# KiCad board poly_kb_molecule_4x4.kicad_pcb (continued)
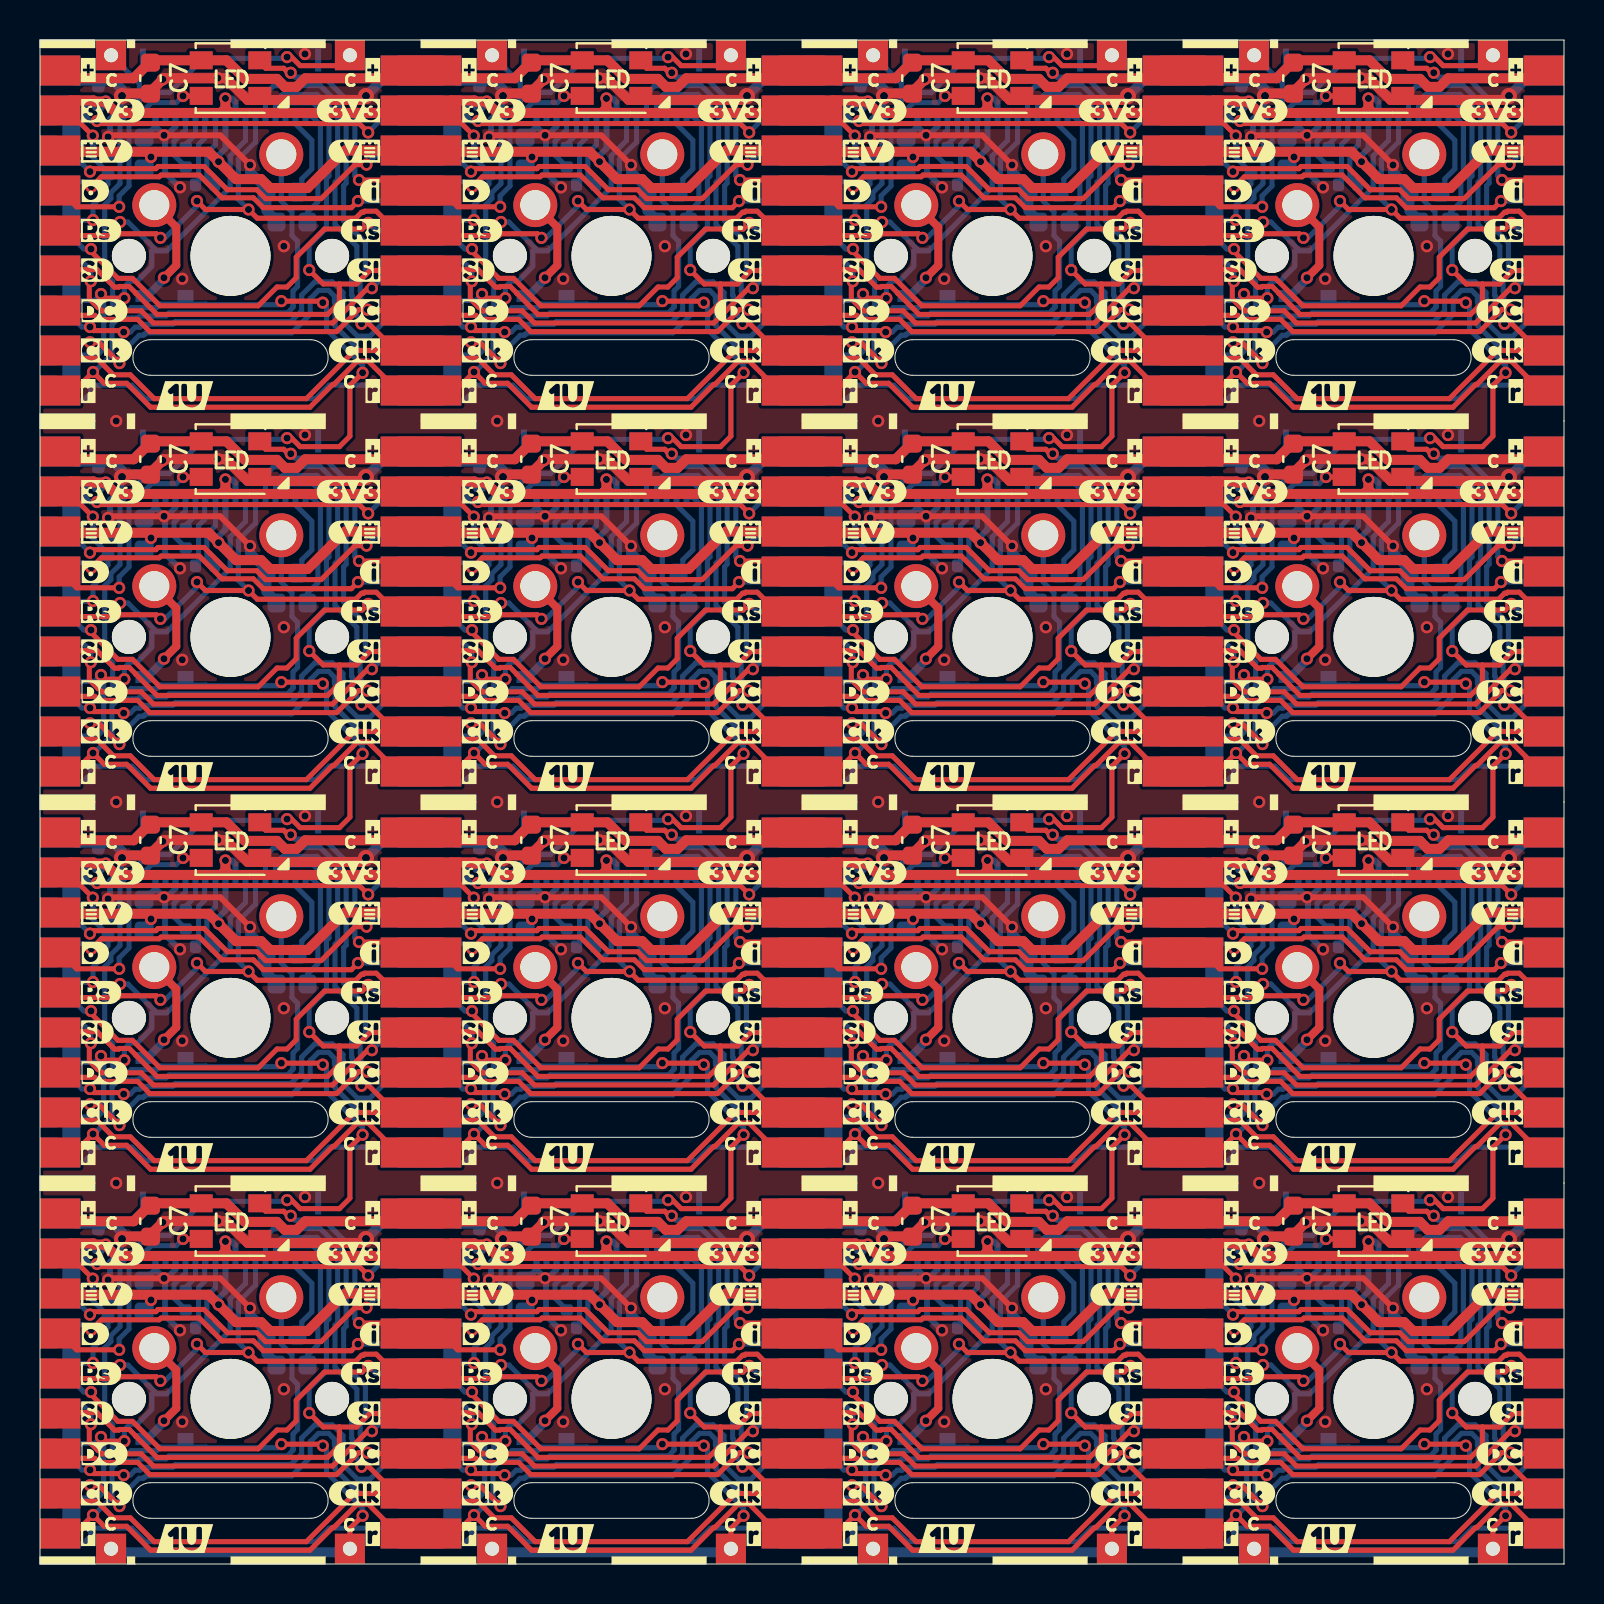
[diagram p0: board, top side]
## Placement (name value [footprint] x y rotation side) (continued)
kibuzzard-61EFD7F9#12  G***  [kibuzzard-61EFD7F9]  35.23 45.64 0 top
kibuzzard-61EFD7F9#13  G***  [kibuzzard-61EFD7F9]  73.33 64.69 0 top
kibuzzard-61EFD7F9#14  G***  [kibuzzard-61EFD7F9]  16.18 26.59 0 top
kibuzzard-61EFD7F9#15  G***  [kibuzzard-61EFD7F9]  73.33 45.64 0 top
kibuzzard-61EFD7F9#16  G***  [kibuzzard-61EFD7F9]  54.28 26.59 0 top
kibuzzard-61EFD863  G***  [kibuzzard-61EFD863]  72.57 72.67 0 top
kibuzzard-61EFD863#2  G***  [kibuzzard-61EFD863]  34.47 34.57 0 top
kibuzzard-61EFD863#3  G***  [kibuzzard-61EFD863]  53.52 72.67 0 top
kibuzzard-61EFD863#4  G***  [kibuzzard-61EFD863]  34.47 72.67 0 top
kibuzzard-61EFD863#5  G***  [kibuzzard-61EFD863]  15.42 15.52 0 top
kibuzzard-61EFD863#6  G***  [kibuzzard-61EFD863]  15.42 34.57 0 top
kibuzzard-61EFD863#7  G***  [kibuzzard-61EFD863]  34.47 53.62 0 top
kibuzzard-61EFD863#8  G***  [kibuzzard-61EFD863]  34.47 15.52 0 top
kibuzzard-61EFD863#9  G***  [kibuzzard-61EFD863]  15.42 72.67 0 top
kibuzzard-61EFD863#10  G***  [kibuzzard-61EFD863]  53.52 53.62 0 top
kibuzzard-61EFD863#11  G***  [kibuzzard-61EFD863]  15.42 53.62 0 top
kibuzzard-61EFD863#12  G***  [kibuzzard-61EFD863]  72.57 15.52 0 top
kibuzzard-61EFD863#13  G***  [kibuzzard-61EFD863]  53.52 15.52 0 top
kibuzzard-61EFD863#14  G***  [kibuzzard-61EFD863]  72.57 53.62 0 top
kibuzzard-61EFD863#15  G***  [kibuzzard-61EFD863]  53.52 34.57 0 top
kibuzzard-61EFD863#16  G***  [kibuzzard-61EFD863]  72.57 34.57 0 top
kibuzzard-61EFD879  G***  [kibuzzard-61EFD879]  3.64 15.51 0 top
kibuzzard-61EFD879#2  G***  [kibuzzard-61EFD879]  22.69 34.56 0 top
kibuzzard-61EFD879#3  G***  [kibuzzard-61EFD879]  3.64 34.56 0 top
kibuzzard-61EFD879#4  G***  [kibuzzard-61EFD879]  60.79 53.61 0 top
kibuzzard-61EFD879#5  G***  [kibuzzard-61EFD879]  3.64 53.61 0 top
kibuzzard-61EFD879#6  G***  [kibuzzard-61EFD879]  41.74 53.61 0 top
kibuzzard-61EFD879#7  G***  [kibuzzard-61EFD879]  22.69 53.61 0 top
kibuzzard-61EFD879#8  G***  [kibuzzard-61EFD879]  22.69 15.51 0 top
kibuzzard-61EFD879#9  G***  [kibuzzard-61EFD879]  60.79 72.66 0 top
kibuzzard-61EFD879#10  G***  [kibuzzard-61EFD879]  22.69 72.66 0 top
kibuzzard-61EFD879#11  G***  [kibuzzard-61EFD879]  60.79 15.51 0 top
kibuzzard-61EFD879#12  G***  [kibuzzard-61EFD879]  41.74 15.51 0 top
kibuzzard-61EFD879#13  G***  [kibuzzard-61EFD879]  60.79 34.56 0 top
kibuzzard-61EFD879#14  G***  [kibuzzard-61EFD879]  41.74 72.66 0 top
kibuzzard-61EFD879#15  G***  [kibuzzard-61EFD879]  3.64 72.66 0 top
kibuzzard-61EFD879#16  G***  [kibuzzard-61EFD879]  41.74 34.56 0 top
kibuzzard-61EFD908  G***  [kibuzzard-61EFD908]  2.41 58.65 0 top
kibuzzard-61EFD908#2  G***  [kibuzzard-61EFD908]  35.69 1.5 0 top
kibuzzard-61EFD908#3  G***  [kibuzzard-61EFD908]  73.79 39.6 0 top
kibuzzard-61EFD908#4  G***  [kibuzzard-61EFD908]  35.69 58.65 0 top
kibuzzard-61EFD908#5  G***  [kibuzzard-61EFD908]  35.69 20.55 0 top
kibuzzard-61EFD908#6  G***  [kibuzzard-61EFD908]  54.74 1.5 0 top
kibuzzard-61EFD908#7  G***  [kibuzzard-61EFD908]  40.51 58.65 0 top
kibuzzard-61EFD908#8  G***  [kibuzzard-61EFD908]  54.74 20.55 0 top
kibuzzard-61EFD908#9  G***  [kibuzzard-61EFD908]  73.79 58.65 0 top
kibuzzard-61EFD908#10  G***  [kibuzzard-61EFD908]  40.51 20.55 0 top
kibuzzard-61EFD908#11  G***  [kibuzzard-61EFD908]  59.56 39.6 0 top
kibuzzard-61EFD908#12  G***  [kibuzzard-61EFD908]  40.51 1.5 0 top
kibuzzard-61EFD908#13  G***  [kibuzzard-61EFD908]  73.79 1.5 0 top
kibuzzard-61EFD908#14  G***  [kibuzzard-61EFD908]  16.64 39.6 0 top
kibuzzard-61EFD908#15  G***  [kibuzzard-61EFD908]  40.51 39.6 0 top
kibuzzard-61EFD908#16  G***  [kibuzzard-61EFD908]  2.41 1.5 0 top
kibuzzard-61EFD908#17  G***  [kibuzzard-61EFD908]  2.41 20.55 0 top
kibuzzard-61EFD908#18  G***  [kibuzzard-61EFD908]  54.74 39.6 0 top
kibuzzard-61EFD908#19  G***  [kibuzzard-61EFD908]  21.46 20.55 0 top
kibuzzard-61EFD908#20  G***  [kibuzzard-61EFD908]  21.46 39.6 0 top
kibuzzard-61EFD908#21  G***  [kibuzzard-61EFD908]  16.64 1.5 0 top
kibuzzard-61EFD908#22  G***  [kibuzzard-61EFD908]  16.64 58.65 0 top
kibuzzard-61EFD908#23  G***  [kibuzzard-61EFD908]  21.46 1.5 0 top
kibuzzard-61EFD908#24  G***  [kibuzzard-61EFD908]  2.41 39.6 0 top
kibuzzard-61EFD908#25  G***  [kibuzzard-61EFD908]  59.56 20.55 0 top
kibuzzard-61EFD908#26  G***  [kibuzzard-61EFD908]  16.64 20.55 0 top
kibuzzard-61EFD908#27  G***  [kibuzzard-61EFD908]  21.46 58.65 0 top
kibuzzard-61EFD908#28  G***  [kibuzzard-61EFD908]  54.74 58.65 0 top
kibuzzard-61EFD908#29  G***  [kibuzzard-61EFD908]  35.69 39.6 0 top
kibuzzard-61EFD908#30  G***  [kibuzzard-61EFD908]  59.56 58.65 0 top
kibuzzard-61EFD908#31  G***  [kibuzzard-61EFD908]  73.79 20.55 0 top
kibuzzard-61EFD908#32  G***  [kibuzzard-61EFD908]  59.56 1.5 0 top
kibuzzard-61EFD947  G***  [kibuzzard-61EFD947]  35.69 17.55 0 top
kibuzzard-61EFD947#2  G***  [kibuzzard-61EFD947]  16.64 17.55 0 top
kibuzzard-61EFD947#3  G***  [kibuzzard-61EFD947]  40.51 17.55 0 top
kibuzzard-61EFD947#4  G***  [kibuzzard-61EFD947]  59.56 74.7 0 top
kibuzzard-61EFD947#5  G***  [kibuzzard-61EFD947]  35.69 36.6 0 top
kibuzzard-61EFD947#6  G***  [kibuzzard-61EFD947]  40.51 74.7 0 top
kibuzzard-61EFD947#7  G***  [kibuzzard-61EFD947]  59.56 36.6 0 top
kibuzzard-61EFD947#8  G***  [kibuzzard-61EFD947]  40.51 55.65 0 top
kibuzzard-61EFD947#9  G***  [kibuzzard-61EFD947]  2.41 17.55 0 top
kibuzzard-61EFD947#10  G***  [kibuzzard-61EFD947]  16.64 36.6 0 top
kibuzzard-61EFD947#11  G***  [kibuzzard-61EFD947]  21.46 17.55 0 top
kibuzzard-61EFD947#12  G***  [kibuzzard-61EFD947]  16.64 55.65 0 top
kibuzzard-61EFD947#13  G***  [kibuzzard-61EFD947]  35.69 74.7 0 top
kibuzzard-61EFD947#14  G***  [kibuzzard-61EFD947]  16.64 74.7 0 top
kibuzzard-61EFD947#15  G***  [kibuzzard-61EFD947]  73.79 17.55 0 top
kibuzzard-61EFD947#16  G***  [kibuzzard-61EFD947]  40.51 36.6 0 top
kibuzzard-61EFD947#17  G***  [kibuzzard-61EFD947]  21.46 55.65 0 top
kibuzzard-61EFD947#18  G***  [kibuzzard-61EFD947]  35.69 55.65 0 top
kibuzzard-61EFD947#19  G***  [kibuzzard-61EFD947]  59.56 55.65 0 top
kibuzzard-61EFD947#20  G***  [kibuzzard-61EFD947]  21.46 36.6 0 top
kibuzzard-61EFD947#21  G***  [kibuzzard-61EFD947]  73.79 55.65 0 top
kibuzzard-61EFD947#22  G***  [kibuzzard-61EFD947]  2.41 36.6 0 top
kibuzzard-61EFD947#23  G***  [kibuzzard-61EFD947]  54.74 55.65 0 top
kibuzzard-61EFD947#24  G***  [kibuzzard-61EFD947]  59.56 17.55 0 top
kibuzzard-61EFD947#25  G***  [kibuzzard-61EFD947]  54.74 36.6 0 top
kibuzzard-61EFD947#26  G***  [kibuzzard-61EFD947]  54.74 17.55 0 top
kibuzzard-61EFD947#27  G***  [kibuzzard-61EFD947]  2.41 74.7 0 top
kibuzzard-61EFD947#28  G***  [kibuzzard-61EFD947]  73.79 36.6 0 top
kibuzzard-61EFD947#29  G***  [kibuzzard-61EFD947]  54.74 74.7 0 top
kibuzzard-61EFD947#30  G***  [kibuzzard-61EFD947]  2.41 55.65 0 top
kibuzzard-61EFD947#31  G***  [kibuzzard-61EFD947]  73.79 74.7 0 top
kibuzzard-61EFD947#32  G***  [kibuzzard-61EFD947]  21.46 74.7 0 top
kibuzzard-61EFDAA0  G***  [kibuzzard-61EFDAA0]  21.82 11.51 0 top
kibuzzard-61EFDAA0#2  G***  [kibuzzard-61EFDAA0]  40.87 49.61 0 top
kibuzzard-61EFDAA0#3  G***  [kibuzzard-61EFDAA0]  40.87 11.51 0 top
kibuzzard-61EFDAA0#4  G***  [kibuzzard-61EFDAA0]  59.92 30.56 0 top
kibuzzard-61EFDAA0#5  G***  [kibuzzard-61EFDAA0]  40.87 68.66 0 top
kibuzzard-61EFDAA0#6  G***  [kibuzzard-61EFDAA0]  40.87 30.56 0 top
kibuzzard-61EFDAA0#7  G***  [kibuzzard-61EFDAA0]  2.77 68.66 0 top
kibuzzard-61EFDAA0#8  G***  [kibuzzard-61EFDAA0]  21.82 49.61 0 top
kibuzzard-61EFDAA0#9  G***  [kibuzzard-61EFDAA0]  59.92 11.51 0 top
kibuzzard-61EFDAA0#10  G***  [kibuzzard-61EFDAA0]  59.92 49.61 0 top
kibuzzard-61EFDAA0#11  G***  [kibuzzard-61EFDAA0]  2.77 11.51 0 top
kibuzzard-61EFDAA0#12  G***  [kibuzzard-61EFDAA0]  59.92 68.66 0 top
kibuzzard-61EFDAA0#13  G***  [kibuzzard-61EFDAA0]  21.82 30.56 0 top
kibuzzard-61EFDAA0#14  G***  [kibuzzard-61EFDAA0]  2.77 49.61 0 top
kibuzzard-61EFDAA0#15  G***  [kibuzzard-61EFDAA0]  2.77 30.56 0 top
kibuzzard-61EFDAA0#16  G***  [kibuzzard-61EFDAA0]  21.82 68.66 0 top
kibuzzard-61EFDAC6  G***  [kibuzzard-61EFDAC6]  35.64 30.56 0 top
kibuzzard-61EFDAC6#2  G***  [kibuzzard-61EFDAC6]  16.59 68.66 0 top
kibuzzard-61EFDAC6#3  G***  [kibuzzard-61EFDAC6]  73.74 49.61 0 top
kibuzzard-61EFDAC6#4  G***  [kibuzzard-61EFDAC6]  16.59 30.56 0 top
kibuzzard-61EFDAC6#5  G***  [kibuzzard-61EFDAC6]  35.64 68.66 0 top
kibuzzard-61EFDAC6#6  G***  [kibuzzard-61EFDAC6]  54.69 30.56 0 top
kibuzzard-61EFDAC6#7  G***  [kibuzzard-61EFDAC6]  16.59 49.61 0 top
kibuzzard-61EFDAC6#8  G***  [kibuzzard-61EFDAC6]  16.59 11.51 0 top
kibuzzard-61EFDAC6#9  G***  [kibuzzard-61EFDAC6]  54.69 49.61 0 top
kibuzzard-61EFDAC6#10  G***  [kibuzzard-61EFDAC6]  73.74 68.66 0 top
kibuzzard-61EFDAC6#11  G***  [kibuzzard-61EFDAC6]  35.64 11.51 0 top
kibuzzard-61EFDAC6#12  G***  [kibuzzard-61EFDAC6]  73.74 30.56 0 top
kibuzzard-61EFDAC6#13  G***  [kibuzzard-61EFDAC6]  35.64 49.61 0 top
kibuzzard-61EFDAC6#14  G***  [kibuzzard-61EFDAC6]  73.74 11.51 0 top
kibuzzard-61EFDAC6#15  G***  [kibuzzard-61EFDAC6]  54.69 11.51 0 top
kibuzzard-61EFDAC6#16  G***  [kibuzzard-61EFDAC6]  54.69 68.66 0 top
kibuzzard-61EFDAEE  G***  [kibuzzard-61EFDAEE]  22.1 47.63 0 top
kibuzzard-61EFDAEE#2  G***  [kibuzzard-61EFDAEE]  41.15 66.68 0 top
kibuzzard-61EFDAEE#3  G***  [kibuzzard-61EFDAEE]  41.15 47.63 0 top
kibuzzard-61EFDAEE#4  G***  [kibuzzard-61EFDAEE]  22.1 9.53 0 top
kibuzzard-61EFDAEE#5  G***  [kibuzzard-61EFDAEE]  22.1 66.68 0 top
kibuzzard-61EFDAEE#6  G***  [kibuzzard-61EFDAEE]  3.05 47.63 0 top
kibuzzard-61EFDAEE#7  G***  [kibuzzard-61EFDAEE]  60.2 66.68 0 top
kibuzzard-61EFDAEE#8  G***  [kibuzzard-61EFDAEE]  3.05 9.53 0 top
kibuzzard-61EFDAEE#9  G***  [kibuzzard-61EFDAEE]  60.2 47.63 0 top
kibuzzard-61EFDAEE#10  G***  [kibuzzard-61EFDAEE]  3.05 28.58 0 top
kibuzzard-61EFDAEE#11  G***  [kibuzzard-61EFDAEE]  60.2 9.53 0 top
kibuzzard-61EFDAEE#12  G***  [kibuzzard-61EFDAEE]  3.05 66.68 0 top
kibuzzard-61EFDAEE#13  G***  [kibuzzard-61EFDAEE]  41.15 28.58 0 top
kibuzzard-61EFDAEE#14  G***  [kibuzzard-61EFDAEE]  41.15 9.53 0 top
kibuzzard-61EFDAEE#15  G***  [kibuzzard-61EFDAEE]  22.1 28.58 0 top
kibuzzard-61EFDAEE#16  G***  [kibuzzard-61EFDAEE]  60.2 28.58 0 top
kibuzzard-61EFDD1E  G***  [kibuzzard-61EFDD1E]  64.39 39.37 0 top
kibuzzard-61EFDD1E#2  G***  [kibuzzard-61EFDD1E]  7.24 20.32 0 top
kibuzzard-61EFDD1E#3  G***  [kibuzzard-61EFDD1E]  7.24 58.42 0 top
kibuzzard-61EFDD1E#4  G***  [kibuzzard-61EFDD1E]  26.29 1.27 0 top
kibuzzard-61EFDD1E#5  G***  [kibuzzard-61EFDD1E]  26.29 39.37 0 top
kibuzzard-61EFDD1E#6  G***  [kibuzzard-61EFDD1E]  45.34 58.42 0 top
kibuzzard-61EFDD1E#7  G***  [kibuzzard-61EFDD1E]  7.24 1.27 0 top
kibuzzard-61EFDD1E#8  G***  [kibuzzard-61EFDD1E]  64.39 58.42 0 top
kibuzzard-61EFDD1E#9  G***  [kibuzzard-61EFDD1E]  45.34 1.27 0 top
kibuzzard-61EFDD1E#10  G***  [kibuzzard-61EFDD1E]  64.39 20.32 0 top
kibuzzard-61EFDD1E#11  G***  [kibuzzard-61EFDD1E]  7.24 39.37 0 top
kibuzzard-61EFDD1E#12  G***  [kibuzzard-61EFDD1E]  64.39 1.27 0 top
kibuzzard-61EFDD1E#13  G***  [kibuzzard-61EFDD1E]  45.34 39.37 0 top
kibuzzard-61EFDD1E#14  G***  [kibuzzard-61EFDD1E]  26.29 58.42 0 top
kibuzzard-61EFDD1E#15  G***  [kibuzzard-61EFDD1E]  26.29 20.32 0 top
kibuzzard-61EFDD1E#16  G***  [kibuzzard-61EFDD1E]  45.34 20.32 0 top
LED1  -  [WS2812B-Mini]  9.52 74.3 0 top
LED1#2  -  [WS2812B-Mini]  66.67 17.15 0 top
LED1#3  -  [WS2812B-Mini]  66.67 36.2 0 top
LED1#4  -  [WS2812B-Mini]  28.58 36.2 0 top
LED1#5  -  [WS2812B-Mini]  9.52 36.2 0 top
LED1#6  -  [WS2812B-Mini]  47.62 17.15 0 top
LED1#7  -  [WS2812B-Mini]  9.52 17.15 0 top
LED1#8  -  [WS2812B-Mini]  66.67 74.3 0 top
LED1#9  -  [WS2812B-Mini]  28.58 17.15 0 top
LED1#10  -  [WS2812B-Mini]  47.62 74.3 0 top
LED1#11  -  [WS2812B-Mini]  47.62 55.25 0 top
LED1#12  -  [WS2812B-Mini]  66.67 55.25 0 top
LED1#13  -  [WS2812B-Mini]  9.52 55.25 0 top
LED1#14  -  [WS2812B-Mini]  47.62 36.2 0 top
LED1#15  -  [WS2812B-Mini]  28.58 55.25 0 top
LED1#16  -  [WS2812B-Mini]  28.58 74.3 0 top
R1  1M  [R_0402_1005Metric]  3.4 12.81 270 bottom
R1#2  1M  [R_0402_1005Metric]  41.5 31.86 270 bottom
R1#3  1M  [R_0402_1005Metric]  22.45 50.91 270 bottom
R1#4  1M  [R_0402_1005Metric]  22.45 31.86 270 bottom
R1#5  1M  [R_0402_1005Metric]  3.4 31.86 270 bottom
R1#6  1M  [R_0402_1005Metric]  41.5 69.96 270 bottom
R1#7  1M  [R_0402_1005Metric]  60.55 31.86 270 bottom
R1#8  1M  [R_0402_1005Metric]  60.55 50.91 270 bottom
R1#9  1M  [R_0402_1005Metric]  22.45 69.96 270 bottom
R1#10  1M  [R_0402_1005Metric]  60.55 69.96 270 bottom
R1#11  1M  [R_0402_1005Metric]  3.4 50.91 270 bottom
R1#12  1M  [R_0402_1005Metric]  41.5 50.91 270 bottom
R1#13  1M  [R_0402_1005Metric]  3.4 69.96 270 bottom
R1#14  1M  [R_0402_1005Metric]  22.45 12.81 270 bottom
R1#15  1M  [R_0402_1005Metric]  60.55 12.81 270 bottom
R1#16  1M  [R_0402_1005Metric]  41.5 12.81 270 bottom
SW1  SW_Push  [SW_Cherry_MX_1.00u_PCB_NoSilk]  12.06 70.49 0 top
SW1#2  SW_Push  [SW_Cherry_MX_1.00u_PCB_NoSilk]  12.06 51.44 0 top
SW1#3  SW_Push  [SW_Cherry_MX_1.00u_PCB_NoSilk]  50.16 13.34 0 top
SW1#4  SW_Push  [SW_Cherry_MX_1.00u_PCB_NoSilk]  31.11 13.34 0 top
SW1#5  SW_Push  [SW_Cherry_MX_1.00u_PCB_NoSilk]  12.06 13.34 0 top
SW1#6  SW_Push  [SW_Cherry_MX_1.00u_PCB_NoSilk]  69.22 32.39 0 top
SW1#7  SW_Push  [SW_Cherry_MX_1.00u_PCB_NoSilk]  31.11 51.44 0 top
SW1#8  SW_Push  [SW_Cherry_MX_1.00u_PCB_NoSilk]  69.22 70.49 0 top
SW1#9  SW_Push  [SW_Cherry_MX_1.00u_PCB_NoSilk]  69.22 13.34 0 top
SW1#10  SW_Push  [SW_Cherry_MX_1.00u_PCB_NoSilk]  31.11 70.49 0 top
SW1#11  SW_Push  [SW_Cherry_MX_1.00u_PCB_NoSilk]  12.06 32.39 0 top
SW1#12  SW_Push  [SW_Cherry_MX_1.00u_PCB_NoSilk]  69.22 51.44 0 top
SW1#13  SW_Push  [SW_Cherry_MX_1.00u_PCB_NoSilk]  50.16 32.39 0 top
SW1#14  SW_Push  [SW_Cherry_MX_1.00u_PCB_NoSilk]  50.16 51.44 0 top
SW1#15  SW_Push  [SW_Cherry_MX_1.00u_PCB_NoSilk]  31.11 32.39 0 top
SW1#16  SW_Push  [SW_Cherry_MX_1.00u_PCB_NoSilk]  50.16 70.49 0 top

## Library data of the parts
C1 C1#2-C1#16 C2 C2#2-C2#16 = -: LCSC: C23630
C3 C3#2-C3#16 C5 C5#2-C5#16 C6 C6#2-C6#16 = -: LCSC: C52923
C4 C4#2-C4#16 C7 C7#2-C7#16 = -: LCSC: C19666
D1 D1#2-D1#16 = -: LCSC: C169468
J1 J1#2-J1#16 = -: LCSC: C561388
LED1 LED1#2-LED1#16 = -: LCSC: C527089

## Footprints (pads in the part's own frame, mm; a bottom-side part is the same pattern mirrored in y, then rotated)
AtomConnect2
  rect 1.5x2 smd: 1(-8,0) 2(-6,0) 3(-4,0) 4(-2,0) 5(0,0) 6(2,0) 7(4,0) 8(6,0) 9(8,0)
AtomConnectCS
  rect 1.5x2 smd: 1(-8,0)
  custom 1.5x2 smd: 2(-6,0.5) 3(-4,0.5) 4(-2,0.5) 5(0,0.5) 6(2,0.5) 7(4,0.5) 8(6,0.5) 9(8,0.5)
  custom 2.3x0.9 smd: 10(-5.5,-0.75) 10(-1.5,-0.75) 10(2.5,-0.75) 10(6.5,-0.75)
C_0402_1005Metric
  rrect 0.56x0.62 smd: 1(-0.48,0) 2(0.48,0)
C_0603_1608Metric
  rrect 0.9x0.95 smd: 1(-0.775,0) 2(0.775,0)
D_SOD-323Ext
  rect 0.8x0.6 smd: 1(-1.05,0) 2(1.05,0)
FPC_16_JUSHUO_AFC05_S16FIA_00
  rect 0.3x1.15 smd: 0(-4.385,-2.81) 0(4.385,-2.81)
  rect 0.3x0.65 smd: 1(-3.75,0) 2(-3.25,0) 3(-2.75,0) 4(-2.25,0) 5(-1.75,0) 6(-1.25,0) 7(-0.75,0) 8(-0.25,0) 9(0.25,0) 10(0.75,0) 11(1.25,0) 12(1.75,0) 13(2.25,0) 14(2.75,0) 15(3.25,0) 16(3.75,0)
R_0402_1005Metric
  rrect 0.54x0.64 smd: 1(-0.51,0) 2(0.51,0)
SW_Cherry_MX_1.00u_PCB_NoSilk
  round 1.7 hole 1.7 unplated: (-7.62,-5.08) (2.54,-5.08)
  round 4 hole 4 unplated: (-2.54,-5.08)
  round 2.2 hole 1.5: 1(0,0) 2(-6.35,-2.54)
TestPoin_1.5x1.5mm_Drill0.7mm
  rect 1.5x1.5 hole 0.7: 1(0,0)
WS2812B-Mini
  rect 1.15x0.9 smd: 1(-1.465,0.89) 2(-1.465,-0.89) 3(1.465,-0.89) 4(1.465,0.89)

## Nets
/Keyboard/sheet605ED2EB/3V3: C3.1 C3#2.1 C3#3.1 C3#4.1 C3#5.1 C3#6.1 C3#7.1 C3#8.1 C3#9.1 C3#10.1 C3#11.1 C3#12.1 C3#13.1 C3#14.1 C3#15.1 C3#16.1 J1.9 J1#2.9 J1#3.9 J1#4.9 J1#5.9 J1#6.9 J1#7.9 J1#8.9 J1#9.9 J1#10.9 J1#11.9 J1#12.9 J1#13.9 J1#14.9 J1#15.9 J1#16.9 J3.2 J3#2.2 J3#3.2 J3#4.2 J3#5.2 J3#6.2 J3#7.2 J3#8.2 J3#9.2 J3#10.2 J3#11.2 J3#12.2 J3#13.2 J3#14.2 J3#15.2 J3#16.2 J4.2 J4#2.2 J4#3.2 J4#4.2 J4#5.2 J4#6.2 J4#7.2 J4#8.2 J4#9.2 J4#10.2 J4#11.2 J4#12.2 J4#13.2 J4#14.2 J4#15.2 J4#16.2 R1.1 R1#2.1 R1#3.1 R1#4.1 R1#5.1 R1#6.1 R1#7.1 R1#8.1 R1#9.1 R1#10.1 R1#11.1 R1#12.1 R1#13.1 R1#14.1 R1#15.1 R1#16.1
/Keyboard/sheet605ED2EB/4V2: C2.1 C2#2.1 C2#3.1 C2#4.1 C2#5.1 C2#6.1 C2#7.1 C2#8.1 C2#9.1 C2#10.1 C2#11.1 C2#12.1 C2#13.1 C2#14.1 C2#15.1 C2#16.1 J1.8 J1#2.8 J1#3.8 J1#4.8 J1#5.8 J1#6.8 J1#7.8 J1#8.8 J1#9.8 J1#10.8 J1#11.8 J1#12.8 J1#13.8 J1#14.8 J1#15.8 J1#16.8 J3.3 J3#2.3 J3#3.3 J3#4.3 J3#5.3 J3#6.3 J3#7.3 J3#8.3 J3#9.3 J3#10.3 J3#11.3 J3#12.3 J3#13.3 J3#14.3 J3#15.3 J3#16.3 J4.3 J4#2.3 J4#3.3 J4#4.3 J4#5.3 J4#6.3 J4#7.3 J4#8.3 J4#9.3 J4#10.3 J4#11.3 J4#12.3 J4#13.3 J4#14.3 J4#15.3 J4#16.3
/Keyboard/sheet605ED2EB/5V: C7.1 C7#2.1 C7#3.1 C7#4.1 C7#5.1 C7#6.1 C7#7.1 C7#8.1 C7#9.1 C7#10.1 C7#11.1 C7#12.1 C7#13.1 C7#14.1 C7#15.1 C7#16.1 J3.1 J3#2.1 J3#3.1 J3#4.1 J3#5.1 J3#6.1 J3#7.1 J3#8.1 J3#9.1 J3#10.1 J3#11.1 J3#12.1 J3#13.1 J3#14.1 J3#15.1 J3#16.1 J4.1 J4#2.1 J4#3.1 J4#4.1 J4#5.1 J4#6.1 J4#7.1 J4#8.1 J4#9.1 J4#10.1 J4#11.1 J4#12.1 J4#13.1 J4#14.1 J4#15.1 J4#16.1 LED1.1 LED1#2.1 LED1#3.1 LED1#4.1 LED1#5.1 LED1#6.1 LED1#7.1 LED1#8.1 LED1#9.1 LED1#10.1 LED1#11.1 LED1#12.1 LED1#13.1 LED1#14.1 LED1#15.1 LED1#16.1
/Keyboard/sheet605ED2EB/GND: C1.2 C1#2.2 C1#3.2 C1#4.2 C1#5.2 C1#6.2 C1#7.2 C1#8.2 C1#9.2 C1#10.2 C1#11.2 C1#12.2 C1#13.2 C1#14.2 C1#15.2 C1#16.2 C2.2 C2#2.2 C2#3.2 C2#4.2 C2#5.2 C2#6.2 C2#7.2 C2#8.2 C2#9.2 C2#10.2 C2#11.2 C2#12.2 C2#13.2 C2#14.2 C2#15.2 C2#16.2 C3.2 C3#2.2 C3#3.2 C3#4.2 C3#5.2 C3#6.2 C3#7.2 C3#8.2 C3#9.2 C3#10.2 C3#11.2 C3#12.2 C3#13.2 C3#14.2 C3#15.2 C3#16.2 C4.2 C4#2.2 C4#3.2 C4#4.2 C4#5.2 C4#6.2 C4#7.2 C4#8.2 C4#9.2 C4#10.2 C4#11.2 C4#12.2 C4#13.2 C4#14.2 C4#15.2 C4#16.2 C7.2 C7#2.2 C7#3.2 C7#4.2 C7#5.2 C7#6.2 C7#7.2 C7#8.2 C7#9.2 C7#10.2 C7#11.2 C7#12.2 C7#13.2 C7#14.2 C7#15.2 C7#16.2 J1.1 J1.3 J1#2.1 J1#2.3 J1#3.1 J1#3.3 J1#4.1 J1#4.3 J1#5.1 J1#5.3 J1#6.1 J1#6.3 J1#7.1 J1#7.3 J1#8.1 J1#8.3 J1#9.1 J1#9.3 J1#10.1 J1#10.3 J1#11.1 J1#11.3 J1#12.1 J1#12.3 J1#13.1 J1#13.3 J1#14.1 J1#14.3 J1#15.1 J1#15.3 J1#16.1 J1#16.3 J5.1 J5#2.1 J5#3.1 J5#4.1 J5#5.1 J5#6.1 J5#7.1 J5#8.1 J5#9.1 J5#10.1 J5#11.1 J5#12.1 J5#13.1 J5#14.1 J5#15.1 J5#16.1 J6.1 J6#2.1 J6#3.1 J6#4.1 J6#5.1 J6#6.1 J6#7.1 J6#8.1 J6#9.1 J6#10.1 J6#11.1 J6#12.1 J6#13.1 J6#14.1 J6#15.1 J6#16.1 LED1.3 LED1#2.3 LED1#3.3 LED1#4.3 LED1#5.3 LED1#6.3 LED1#7.3 LED1#8.3 LED1#9.3 LED1#10.3 LED1#11.3 LED1#12.3 LED1#13.3 LED1#14.3 LED1#15.3 LED1#16.3
/Keyboard/sheet605ED2EB/CS: J1.10 J1#2.10 J1#3.10 J1#4.10 J1#5.10 J1#6.10 J1#7.10 J1#8.10 J1#9.10 J1#10.10 J1#11.10 J1#12.10 J1#13.10 J1#14.10 J1#15.10 J1#16.10 J5.10 J5#2.10 J5#3.10 J5#4.10 J5#5.10 J5#6.10 J5#7.10 J5#8.10 J5#9.10 J5#10.10 J5#11.10 J5#12.10 J5#13.10 J5#14.10 J5#15.10 J5#16.10 R1.2 R1#2.2 R1#3.2 R1#4.2 R1#5.2 R1#6.2 R1#7.2 R1#8.2 R1#9.2 R1#10.2 R1#11.2 R1#12.2 R1#13.2 R1#14.2 R1#15.2 R1#16.2
/Keyboard/sheet605ED2EB/D-C: J1.12 J1#2.12 J1#3.12 J1#4.12 J1#5.12 J1#6.12 J1#7.12 J1#8.12 J1#9.12 J1#10.12 J1#11.12 J1#12.12 J1#13.12 J1#14.12 J1#15.12 J1#16.12 J3.7 J3#2.7 J3#3.7 J3#4.7 J3#5.7 J3#6.7 J3#7.7 J3#8.7 J3#9.7 J3#10.7 J3#11.7 J3#12.7 J3#13.7 J3#14.7 J3#15.7 J3#16.7 J4.7 J4#2.7 J4#3.7 J4#4.7 J4#5.7 J4#6.7 J4#7.7 J4#8.7 J4#9.7 J4#10.7 J4#11.7 J4#12.7 J4#13.7 J4#14.7 J4#15.7 J4#16.7
/Keyboard/sheet605ED2EB/KeyCol: D1.1 D1#2.1 D1#3.1 D1#4.1 D1#5.1 D1#6.1 D1#7.1 D1#8.1 D1#9.1 D1#10.1 D1#11.1 D1#12.1 D1#13.1 D1#14.1 D1#15.1 D1#16.1 J2.1 J2#2.1 J2#3.1 J2#4.1 J7.1 J7#2.1 J7#3.1 J7#4.1 J8.1 J8#2.1 J8#3.1 J8#4.1 J9.1 J9#2.1 J9#3.1 J9#4.1
/Keyboard/sheet605ED2EB/KeyRow: J3.9 J3#2.9 J3#3.9 J3#4.9 J3#5.9 J3#6.9 J3#7.9 J3#8.9 J3#9.9 J3#10.9 J3#11.9 J3#12.9 J3#13.9 J3#14.9 J3#15.9 J3#16.9 J4.9 J4#2.9 J4#3.9 J4#4.9 J4#5.9 J4#6.9 J4#7.9 J4#8.9 J4#9.9 J4#10.9 J4#11.9 J4#12.9 J4#13.9 J4#14.9 J4#15.9 J4#16.9 SW1.1 SW1#2.1 SW1#3.1 SW1#4.1 SW1#5.1 SW1#6.1 SW1#7.1 SW1#8.1 SW1#9.1 SW1#10.1 SW1#11.1 SW1#12.1 SW1#13.1 SW1#14.1 SW1#15.1 SW1#16.1
/Keyboard/sheet605ED2EB/LED_DIN: J3.4 J3#2.4 J3#3.4 J3#4.4 J3#5.4 J3#6.4 J3#7.4 J3#8.4 J3#9.4 J3#10.4 J3#11.4 J3#12.4 J3#13.4 J3#14.4 J3#15.4 J3#16.4 J4.4 J4#2.4 J4#3.4 J4#4.4 J4#5.4 J4#6.4 J4#7.4 J4#8.4 J4#9.4 J4#10.4 J4#11.4 J4#12.4 J4#13.4 J4#14.4 J4#15.4 J4#16.4 LED1.2 LED1.4 LED1#2.2 LED1#2.4 LED1#3.2 LED1#3.4 LED1#4.2 LED1#4.4 LED1#5.2 LED1#5.4 LED1#6.2 LED1#6.4 LED1#7.2 LED1#7.4 LED1#8.2 LED1#8.4 LED1#9.2 LED1#9.4 LED1#10.2 LED1#10.4 LED1#11.2 LED1#11.4 LED1#12.2 LED1#12.4 LED1#13.2 LED1#13.4 LED1#14.2 LED1#14.4 LED1#15.2 LED1#15.4 LED1#16.2 LED1#16.4
/Keyboard/sheet605ED2EB/RESET: J1.11 J1#2.11 J1#3.11 J1#4.11 J1#5.11 J1#6.11 J1#7.11 J1#8.11 J1#9.11 J1#10.11 J1#11.11 J1#12.11 J1#13.11 J1#14.11 J1#15.11 J1#16.11 J3.5 J3#2.5 J3#3.5 J3#4.5 J3#5.5 J3#6.5 J3#7.5 J3#8.5 J3#9.5 J3#10.5 J3#11.5 J3#12.5 J3#13.5 J3#14.5 J3#15.5 J3#16.5 J4.5 J4#2.5 J4#3.5 J4#4.5 J4#5.5 J4#6.5 J4#7.5 J4#8.5 J4#9.5 J4#10.5 J4#11.5 J4#12.5 J4#13.5 J4#14.5 J4#15.5 J4#16.5
/Keyboard/sheet605ED2EB/SCLK: J1.13 J1#2.13 J1#3.13 J1#4.13 J1#5.13 J1#6.13 J1#7.13 J1#8.13 J1#9.13 J1#10.13 J1#11.13 J1#12.13 J1#13.13 J1#14.13 J1#15.13 J1#16.13 J3.8 J3#2.8 J3#3.8 J3#4.8 J3#5.8 J3#6.8 J3#7.8 J3#8.8 J3#9.8 J3#10.8 J3#11.8 J3#12.8 J3#13.8 J3#14.8 J3#15.8 J3#16.8 J4.8 J4#2.8 J4#3.8 J4#4.8 J4#5.8 J4#6.8 J4#7.8 J4#8.8 J4#9.8 J4#10.8 J4#11.8 J4#12.8 J4#13.8 J4#14.8 J4#15.8 J4#16.8
/Keyboard/sheet605ED2EB/SDIN: J1.14 J1#2.14 J1#3.14 J1#4.14 J1#5.14 J1#6.14 J1#7.14 J1#8.14 J1#9.14 J1#10.14 J1#11.14 J1#12.14 J1#13.14 J1#14.14 J1#15.14 J1#16.14 J3.6 J3#2.6 J3#3.6 J3#4.6 J3#5.6 J3#6.6 J3#7.6 J3#8.6 J3#9.6 J3#10.6 J3#11.6 J3#12.6 J3#13.6 J3#14.6 J3#15.6 J3#16.6 J4.6 J4#2.6 J4#3.6 J4#4.6 J4#5.6 J4#6.6 J4#7.6 J4#8.6 J4#9.6 J4#10.6 J4#11.6 J4#12.6 J4#13.6 J4#14.6 J4#15.6 J4#16.6
CS1: J5.2 J5#2.2 J5#3.2 J5#4.2 J5#5.2 J5#6.2 J5#7.2 J5#8.2 J5#9.2 J5#10.2 J5#11.2 J5#12.2 J5#13.2 J5#14.2 J5#15.2 J5#16.2 J6.2 J6#2.2 J6#3.2 J6#4.2 J6#5.2 J6#6.2 J6#7.2 J6#8.2 J6#9.2 J6#10.2 J6#11.2 J6#12.2 J6#13.2 J6#14.2 J6#15.2 J6#16.2
CS2: J5.3 J5#2.3 J5#3.3 J5#4.3 J5#5.3 J5#6.3 J5#7.3 J5#8.3 J5#9.3 J5#10.3 J5#11.3 J5#12.3 J5#13.3 J5#14.3 J5#15.3 J5#16.3 J6.3 J6#2.3 J6#3.3 J6#4.3 J6#5.3 J6#6.3 J6#7.3 J6#8.3 J6#9.3 J6#10.3 J6#11.3 J6#12.3 J6#13.3 J6#14.3 J6#15.3 J6#16.3
CS3: J5.4 J5#2.4 J5#3.4 J5#4.4 J5#5.4 J5#6.4 J5#7.4 J5#8.4 J5#9.4 J5#10.4 J5#11.4 J5#12.4 J5#13.4 J5#14.4 J5#15.4 J5#16.4 J6.4 J6#2.4 J6#3.4 J6#4.4 J6#5.4 J6#6.4 J6#7.4 J6#8.4 J6#9.4 J6#10.4 J6#11.4 J6#12.4 J6#13.4 J6#14.4 J6#15.4 J6#16.4
CS4: J5.5 J5#2.5 J5#3.5 J5#4.5 J5#5.5 J5#6.5 J5#7.5 J5#8.5 J5#9.5 J5#10.5 J5#11.5 J5#12.5 J5#13.5 J5#14.5 J5#15.5 J5#16.5 J6.5 J6#2.5 J6#3.5 J6#4.5 J6#5.5 J6#6.5 J6#7.5 J6#8.5 J6#9.5 J6#10.5 J6#11.5 J6#12.5 J6#13.5 J6#14.5 J6#15.5 J6#16.5
CS5: J5.6 J5#2.6 J5#3.6 J5#4.6 J5#5.6 J5#6.6 J5#7.6 J5#8.6 J5#9.6 J5#10.6 J5#11.6 J5#12.6 J5#13.6 J5#14.6 J5#15.6 J5#16.6 J6.6 J6#2.6 J6#3.6 J6#4.6 J6#5.6 J6#6.6 J6#7.6 J6#8.6 J6#9.6 J6#10.6 J6#11.6 J6#12.6 J6#13.6 J6#14.6 J6#15.6 J6#16.6
CS6: J5.7 J5#2.7 J5#3.7 J5#4.7 J5#5.7 J5#6.7 J5#7.7 J5#8.7 J5#9.7 J5#10.7 J5#11.7 J5#12.7 J5#13.7 J5#14.7 J5#15.7 J5#16.7 J6.7 J6#2.7 J6#3.7 J6#4.7 J6#5.7 J6#6.7 J6#7.7 J6#8.7 J6#9.7 J6#10.7 J6#11.7 J6#12.7 J6#13.7 J6#14.7 J6#15.7 J6#16.7
CS7: J5.8 J5#2.8 J5#3.8 J5#4.8 J5#5.8 J5#6.8 J5#7.8 J5#8.8 J5#9.8 J5#10.8 J5#11.8 J5#12.8 J5#13.8 J5#14.8 J5#15.8 J5#16.8 J6.8 J6#2.8 J6#3.8 J6#4.8 J6#5.8 J6#6.8 J6#7.8 J6#8.8 J6#9.8 J6#10.8 J6#11.8 J6#12.8 J6#13.8 J6#14.8 J6#15.8 J6#16.8
CS8: J5.9 J5#2.9 J5#3.9 J5#4.9 J5#5.9 J5#6.9 J5#7.9 J5#8.9 J5#9.9 J5#10.9 J5#11.9 J5#12.9 J5#13.9 J5#14.9 J5#15.9 J5#16.9 J6.9 J6#2.9 J6#3.9 J6#4.9 J6#5.9 J6#6.9 J6#7.9 J6#8.9 J6#9.9 J6#10.9 J6#11.9 J6#12.9 J6#13.9 J6#14.9 J6#15.9 J6#16.9
Net-(C1-Pad1): C1.1 C1#2.1 C1#3.1 C1#4.1 C1#5.1 C1#6.1 C1#7.1 C1#8.1 C1#9.1 C1#10.1 C1#11.1 C1#12.1 C1#13.1 C1#14.1 C1#15.1 C1#16.1 J1.16 J1#2.16 J1#3.16 J1#4.16 J1#5.16 J1#6.16 J1#7.16 J1#8.16 J1#9.16 J1#10.16 J1#11.16 J1#12.16 J1#13.16 J1#14.16 J1#15.16 J1#16.16
Net-(C4-Pad1): C4.1 C4#2.1 C4#3.1 C4#4.1 C4#5.1 C4#6.1 C4#7.1 C4#8.1 C4#9.1 C4#10.1 C4#11.1 C4#12.1 C4#13.1 C4#14.1 C4#15.1 C4#16.1 J1.15 J1#2.15 J1#3.15 J1#4.15 J1#5.15 J1#6.15 J1#7.15 J1#8.15 J1#9.15 J1#10.15 J1#11.15 J1#12.15 J1#13.15 J1#14.15 J1#15.15 J1#16.15
Net-(C5-Pad1): C5.1 C5#2.1 C5#3.1 C5#4.1 C5#5.1 C5#6.1 C5#7.1 C5#8.1 C5#9.1 C5#10.1 C5#11.1 C5#12.1 C5#13.1 C5#14.1 C5#15.1 C5#16.1 J1.4 J1#2.4 J1#3.4 J1#4.4 J1#5.4 J1#6.4 J1#7.4 J1#8.4 J1#9.4 J1#10.4 J1#11.4 J1#12.4 J1#13.4 J1#14.4 J1#15.4 J1#16.4
Net-(C5-Pad2): C5.2 C5#2.2 C5#3.2 C5#4.2 C5#5.2 C5#6.2 C5#7.2 C5#8.2 C5#9.2 C5#10.2 C5#11.2 C5#12.2 C5#13.2 C5#14.2 C5#15.2 C5#16.2 J1.5 J1#2.5 J1#3.5 J1#4.5 J1#5.5 J1#6.5 J1#7.5 J1#8.5 J1#9.5 J1#10.5 J1#11.5 J1#12.5 J1#13.5 J1#14.5 J1#15.5 J1#16.5
Net-(C6-Pad1): C6.1 C6#2.1 C6#3.1 C6#4.1 C6#5.1 C6#6.1 C6#7.1 C6#8.1 C6#9.1 C6#10.1 C6#11.1 C6#12.1 C6#13.1 C6#14.1 C6#15.1 C6#16.1 J1.6 J1#2.6 J1#3.6 J1#4.6 J1#5.6 J1#6.6 J1#7.6 J1#8.6 J1#9.6 J1#10.6 J1#11.6 J1#12.6 J1#13.6 J1#14.6 J1#15.6 J1#16.6
Net-(C6-Pad2): C6.2 C6#2.2 C6#3.2 C6#4.2 C6#5.2 C6#6.2 C6#7.2 C6#8.2 C6#9.2 C6#10.2 C6#11.2 C6#12.2 C6#13.2 C6#14.2 C6#15.2 C6#16.2 J1.7 J1#2.7 J1#3.7 J1#4.7 J1#5.7 J1#6.7 J1#7.7 J1#8.7 J1#9.7 J1#10.7 J1#11.7 J1#12.7 J1#13.7 J1#14.7 J1#15.7 J1#16.7
Net-(D1-Pad2): D1.2 D1#2.2 D1#3.2 D1#4.2 D1#5.2 D1#6.2 D1#7.2 D1#8.2 D1#9.2 D1#10.2 D1#11.2 D1#12.2 D1#13.2 D1#14.2 D1#15.2 D1#16.2 SW1.2 SW1#2.2 SW1#3.2 SW1#4.2 SW1#5.2 SW1#6.2 SW1#7.2 SW1#8.2 SW1#9.2 SW1#10.2 SW1#11.2 SW1#12.2 SW1#13.2 SW1#14.2 SW1#15.2 SW1#16.2

Pads without a net: J1 0 2; J1#2 0 2; J1#3 0 2; J1#4 0 2; J1#5 0 2; J1#6 0 2; J1#7 0 2; J1#8 0 2; J1#9 0 2; J1#10 0 2; J1#11 0 2; J1#12 0 2; J1#13 0 2; J1#14 0 2; J1#15 0 2; J1#16 0 2

## Via types
v1: diameter 0.61, hole 0.356, Top to Bottom, 780 vias
v2: diameter 0.8, hole 0.4, Top to Bottom, 32 vias

## Routing (per net, layer and track width the routed paths; a pad name or vN(x,y) marks a point on that pad's centre or on a via; arc(x,y) is an arc through that point)
/Keyboard/sheet605ED2EB/3V3: length 427.4
  Top w0.25: J3#8.2 1.38,53.63 v1(2.64,52.37) ; v1(59.79,14.27) 58.53,15.53 J3#16.2 ; v1(2.64,71.42) 1.38,72.68 J3.2 ; v1(21.69,14.27) 20.43,15.53 J3#6.2 ; J3#15.2 39.48,72.68 v1(40.74,71.42) ; v1(40.74,33.32) 39.48,34.58 J3#5.2 ; J3#4.2 58.53,53.63 v1(59.79,52.37) ; v1(59.79,71.42) 58.53,72.68 J3#10.2 ; v1(40.74,14.27) 39.48,15.53 J3#13.2 ; J3#11.2 58.53,34.58 v1(59.79,33.32) ; v1(21.69,71.42) 20.43,72.68 J3#9.2 ; J3#12.2 1.38,15.53 v1(2.64,14.27) ; v1(21.69,52.37) 20.43,53.63 J3#7.2 ; J3#2.2 20.43,34.58 v1(21.69,33.32) ; J3#14.2 39.48,53.63 v1(40.74,52.37) ; J3#3.2 1.38,34.58 v1(2.64,33.32)
  Top w0.3: 1.51,54.12 J3#8.2 ; 58.66,54.12 J3#4.2 ; 20.56,16.02 J3#6.2 ; 1.51,35.07 J3#3.2 ; 20.56,35.07 J3#2.2 ; 1.51,16.02 J3#12.2 ; 39.61,16.02 J3#13.2 ; 39.61,54.12 J3#14.2 ; 20.56,73.17 J3#9.2 ; 58.66,35.07 J3#11.2 ; 58.66,73.17 J3#10.2 ; 39.61,35.07 J3#5.2 ; 1.51,73.17 J3.2 ; 39.61,73.17 J3#15.2 ; 58.66,16.02 J3#16.2 ; 20.56,54.12 J3#7.2
  Top w0.5: 1.27,53.63 1.47,53.82 ; 47.23,34.53 47.52,34.53 47.37,34.67 ; 47.23,34.53 47.18,34.48 ; 47.23,34.53 47.37,34.67 ; 28.18,53.58 28.47,53.58 28.32,53.72 ; 28.18,53.58 28.32,53.72 ; 28.18,53.58 28.13,53.53 ; v1(28.32,16.13) 28.32,15.62 ; 28.32,15.62 28.47,15.48 28.18,15.48 ; 28.32,15.62 28.18,15.48 ; 28.32,72.77 28.47,72.63 28.18,72.63 ; 28.32,72.77 28.18,72.63 ; 28.32,72.77 v1(28.32,73.28) ; 20.32,34.58 20.52,34.77 ; 39.37,72.68 39.57,72.87 ; v1(9.27,73.28) 9.27,72.77 ; 9.27,72.77 9.13,72.63 ; 9.27,72.77 9.42,72.63 9.13,72.63 ; 66.28,72.63 66.23,72.58 ; 66.28,72.63 66.57,72.63 66.42,72.77 ; 66.28,72.63 66.42,72.77 ; J4#12.2 36.96,15.4 22.86,15.4 22.34,15.93 v1(22.34,15.97) 21.77,15.97 21.72,16.03 20.57,16.03 J3#6.2 ; 28.18,72.63 28.13,72.58 ; 28.32,34.67 28.47,34.53 28.18,34.53 ; 28.32,34.67 28.18,34.53 ; 28.32,34.67 v1(28.32,35.18) ; 66.42,53.72 66.28,53.58 ; 66.42,53.72 v1(66.42,54.23) ; 66.42,53.72 66.57,53.58 66.28,53.58 ; 66.28,53.58 66.23,53.53 ; 9.27,53.72 9.13,53.58 ; 9.27,53.72 v1(9.27,54.23) ; 9.27,53.72 9.42,53.58 9.13,53.58 ; 9.13,53.58 9.08,53.53 ; J4#3.2 75.06,53.5 60.96,53.5 60.44,54.03 v1(60.44,54.07) 59.87,54.07 59.82,54.13 58.67,54.13 J3#4.2 ; 28.18,15.48 28.13,15.43 ; J3#11.2 58.67,35.08 59.82,35.08 59.87,35.02 v1(60.44,35.02) 60.44,34.98 60.96,34.45 75.06,34.45 J4#8.2 ; 66.42,15.62 66.57,15.48 66.28,15.48 ; 66.42,15.62 66.28,15.48 ; 66.42,15.62 v1(66.42,16.13) ; 58.42,15.53 58.62,15.72 ; J3#5.2 39.62,35.08 40.77,35.08 40.82,35.02 v1(41.39,35.02) 41.39,34.98 41.91,34.45 56.01,34.45 J4#2.2 ; 66.28,15.48 66.23,15.43 ; 9.13,72.63 9.08,72.58 ; J3#2.2 20.57,35.08 21.72,35.08 21.77,35.02 v1(22.34,35.02) 22.34,34.98 22.86,34.45 36.96,34.45 J4#9.2 ; J3#8.2 1.52,54.13 2.67,54.13 2.72,54.07 v1(3.29,54.07) 3.29,54.03 3.81,53.5 17.91,53.5 J4#14.2 ; 47.23,15.48 47.18,15.43 ; 47.23,15.48 47.52,15.48 47.37,15.62 ; 47.23,15.48 47.37,15.62 ; 9.13,15.48 9.08,15.43 ; 9.13,15.48 9.27,15.62 ; 9.13,15.48 9.42,15.48 9.27,15.62 ; 9.13,34.53 9.42,34.53 9.27,34.67 ; 9.13,34.53 9.27,34.67 ; 9.13,34.53 9.08,34.48 ; 1.27,34.58 1.47,34.77 ; v1(47.37,54.23) 47.37,53.72 ; 47.37,53.72 47.52,53.58 47.23,53.58 ; 47.37,53.72 47.23,53.58 ; 28.32,53.72 v1(28.32,54.23) ; 58.42,53.63 58.62,53.82 ; J3#3.2 1.52,35.08 2.67,35.08 2.72,35.02 v1(3.29,35.02) 3.29,34.98 3.81,34.45 17.91,34.45 J4#4.2 ; 9.27,15.62 v1(9.27,16.13) ; 28.18,34.53 28.13,34.48 ; J3.2 1.52,73.18 2.67,73.18 2.72,73.12 v1(3.29,73.12) 3.29,73.08 3.81,72.55 17.91,72.55 J4.2 ; 47.23,72.63 47.18,72.58 ; 47.23,72.63 47.37,72.77 ; 47.23,72.63 47.52,72.63 47.37,72.77 ; 1.27,72.68 1.47,72.87 ; 9.27,34.67 v1(9.27,35.18) ; 20.32,15.53 20.52,15.72 ; J4#7.2 56.01,53.5 41.91,53.5 41.39,54.03 v1(41.39,54.07) 40.82,54.07 40.77,54.13 39.62,54.13 J3#14.2 ; J4#6.2 36.96,53.5 22.86,53.5 22.34,54.03 v1(22.34,54.07) 21.77,54.07 21.72,54.13 20.57,54.13 J3#7.2 ; J3#13.2 39.62,16.03 40.77,16.03 40.82,15.97 v1(41.39,15.97) 41.39,15.93 41.91,15.4 56.01,15.4 J4#15.2 ; 39.37,53.63 39.57,53.82 ; 66.28,34.53 66.57,34.53 66.42,34.67 ; 66.28,34.53 66.42,34.67 ; 66.28,34.53 66.23,34.48 ; 58.42,34.58 58.62,34.77 ; 47.37,72.77 v1(47.37,73.28) ; J3#16.2 58.67,16.03 59.82,16.03 59.87,15.97 v1(60.44,15.97) 60.44,15.93 60.96,15.4 75.06,15.4 J4#11.2 ; J4#16.2 36.96,72.55 22.86,72.55 22.34,73.08 v1(22.34,73.12) 21.77,73.12 21.72,73.18 20.57,73.18 J3#9.2 ; v1(47.37,16.13) 47.37,15.62 ; 66.42,34.67 v1(66.42,35.18) ; 1.27,15.53 1.47,15.72 ; J4#5.2 75.06,72.55 60.96,72.55 60.44,73.08 v1(60.44,73.12) 59.87,73.12 59.82,73.18 58.67,73.18 J3#10.2 ; J4#13.2 17.91,15.4 3.81,15.4 3.29,15.93 v1(3.29,15.97) 2.72,15.97 2.67,16.03 1.52,16.03 J3#12.2 ; v1(66.42,73.28) 66.42,72.77 ; v1(47.37,35.18) 47.37,34.67 ; 47.23,53.58 47.18,53.53 ; 39.37,34.58 39.57,34.77 ; J4#10.2 56.01,72.55 41.91,72.55 41.39,73.08 v1(41.39,73.12) 40.82,73.12 40.77,73.18 39.62,73.18 J3#15.2 ; 20.32,72.68 20.52,72.87 ; 20.32,53.63 20.52,53.82 ; 39.37,15.53 39.57,15.72 ; 58.42,72.68 58.62,72.87
  Top w1.5: J4#9.2 J3#5.2 ; J4#16.2 J3#15.2 ; J3#10.2 J4#10.2 ; J4#4.2 J3#2.2 ; J3#11.2 J4#2.2 ; J3#16.2 J4#15.2 ; J4.2 J3#9.2 ; J4#12.2 J3#13.2 ; J4#6.2 J3#14.2 ; J3#4.2 J4#7.2 ; J4#14.2 J3#7.2 ; J4#13.2 J3#6.2
  Bottom w0.25: 22.49,32.37 22.12,32.37 21.69,32.8 v1(21.69,33.32) ; v1(21.69,14.27) 21.69,13.75 22.12,13.32 22.49,13.32 ; v1(40.74,14.27) 40.74,13.75 41.17,13.32 41.54,13.32 ; v1(2.64,52.37) 2.64,51.85 3.07,51.42 3.44,51.42 ; v1(21.69,71.42) 21.69,70.9 22.12,70.47 22.49,70.47 ; v1(59.79,14.27) 59.79,13.75 60.22,13.32 60.59,13.32 ; 60.59,51.42 60.22,51.42 59.79,51.85 v1(59.79,52.37) ; v1(59.79,33.32) 59.79,32.8 60.22,32.37 60.59,32.37 ; v1(2.64,71.42) 2.64,70.9 3.07,70.47 3.44,70.47 ; 41.54,51.42 41.17,51.42 40.74,51.85 v1(40.74,52.37) ; 41.54,70.47 41.17,70.47 40.74,70.9 v1(40.74,71.42) ; 60.59,70.47 60.22,70.47 59.79,70.9 v1(59.79,71.42) ; v1(2.64,14.27) 2.64,13.75 3.07,13.32 3.44,13.32 ; v1(21.69,52.37) 21.69,51.85 22.12,51.42 22.49,51.42 ; 3.44,32.37 3.07,32.37 2.64,32.8 v1(2.64,33.32) ; v1(40.74,33.32) 40.74,32.8 41.17,32.37 41.54,32.37
  Bottom w0.3: v1(22.34,54.07) 22.14,53.88 C3#9.1 ; J1#13.9 66.92,54.03 66.72,54.23 v1(66.42,54.23) ; J1#8.9 47.88,34.98 47.67,35.18 v1(47.37,35.18) ; v1(66.42,73.28) 66.72,73.28 66.92,73.08 J1#9.9 ; v1(60.44,54.07) 60.24,53.88 C3#16.1 ; v1(3.29,35.02) 3.09,34.83 C3#8.1 ; v1(47.37,16.13) 47.67,16.13 47.88,15.93 J1#14.9 ; v1(28.32,54.23) 28.62,54.23 28.83,54.03 J1#12.9 ; C3.1 3.09,72.93 v1(3.29,73.12) ; v1(28.32,35.18) 28.62,35.18 28.83,34.98 J1#10.9 ; v1(47.37,54.23) 47.67,54.23 47.88,54.03 J1#4.9 ; C3#10.1 3.09,15.78 v1(3.29,15.97) ; v1(22.34,35.02) 22.14,34.83 C3#6.1 ; v1(9.27,16.13) 9.57,16.13 9.77,15.93 J1#5.9 ; v1(9.27,35.18) 9.57,35.18 9.77,34.98 J1#6.9 ; J1#11.9 28.83,73.08 28.62,73.28 v1(28.32,73.28) ; C3#15.1 41.19,15.78 v1(41.39,15.97) ; C3#14.1 3.09,53.88 v1(3.29,54.07) ; J1#15.9 66.92,34.98 66.72,35.18 v1(66.42,35.18) ; v1(22.34,73.12) 22.14,72.93 C3#12.1 ; v1(66.42,16.13) 66.72,16.13 66.92,15.93 J1#3.9 ; J1.9 9.77,73.08 9.57,73.28 v1(9.27,73.28) ; C3#11.1 60.24,15.78 v1(60.44,15.97) ; v1(47.37,73.28) 47.67,73.28 47.88,73.08 J1#7.9 ; C3#3.1 60.24,72.93 v1(60.44,73.12) ; v1(9.27,54.23) 9.57,54.23 9.77,54.03 J1#16.9 ; v1(41.39,54.07) 41.19,53.88 C3#4.1 ; J1#2.9 28.83,15.93 28.62,16.13 v1(28.32,16.13) ; v1(60.44,35.02) 60.24,34.83 C3#2.1 ; C3#13.1 41.19,34.83 v1(41.39,35.02) ; C3#7.1 22.14,15.78 v1(22.34,15.97) ; v1(41.39,73.12) 41.19,72.93 C3#5.1
